# KiCad board E-Fidget V4.kicad_pcb
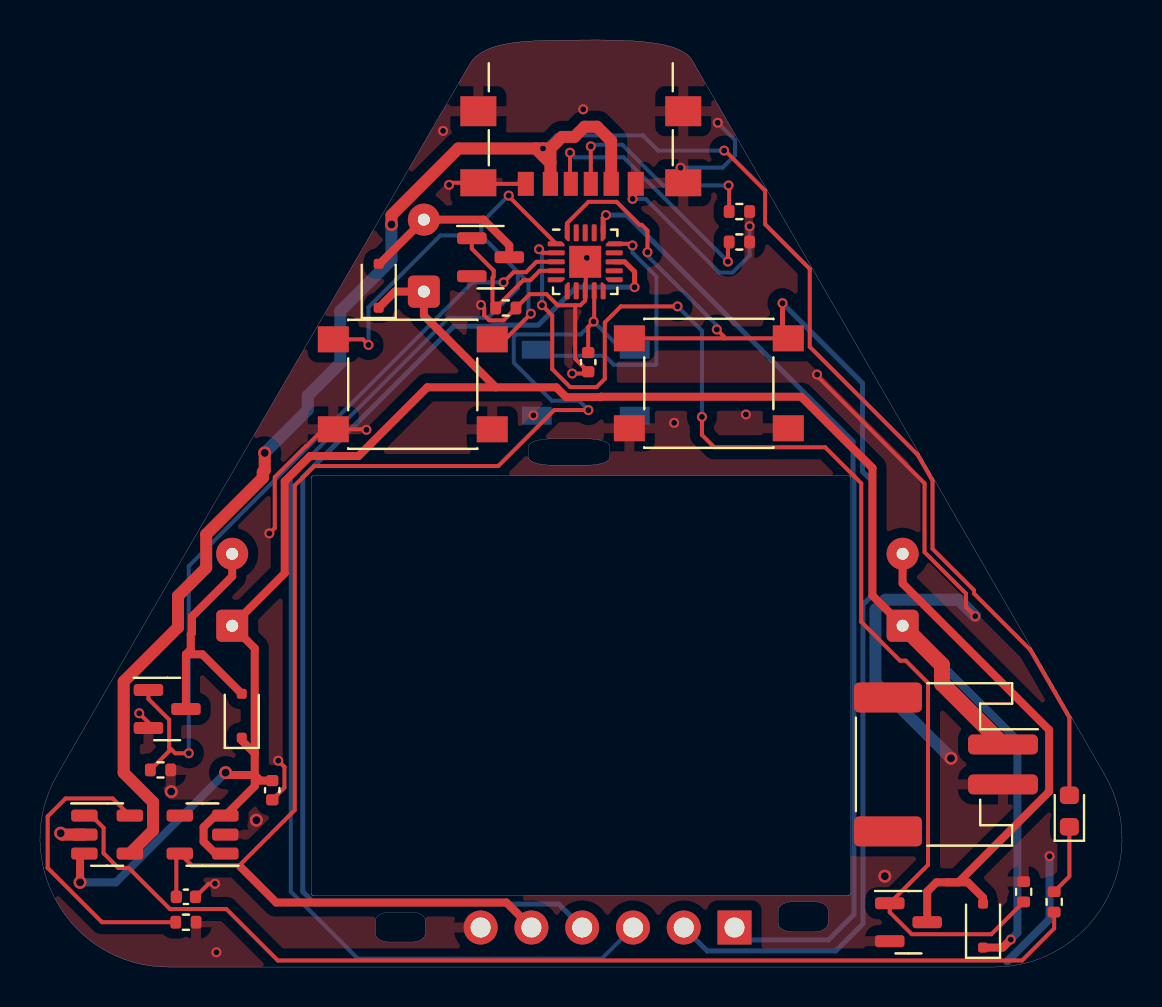
[diagram p0: board, top side]
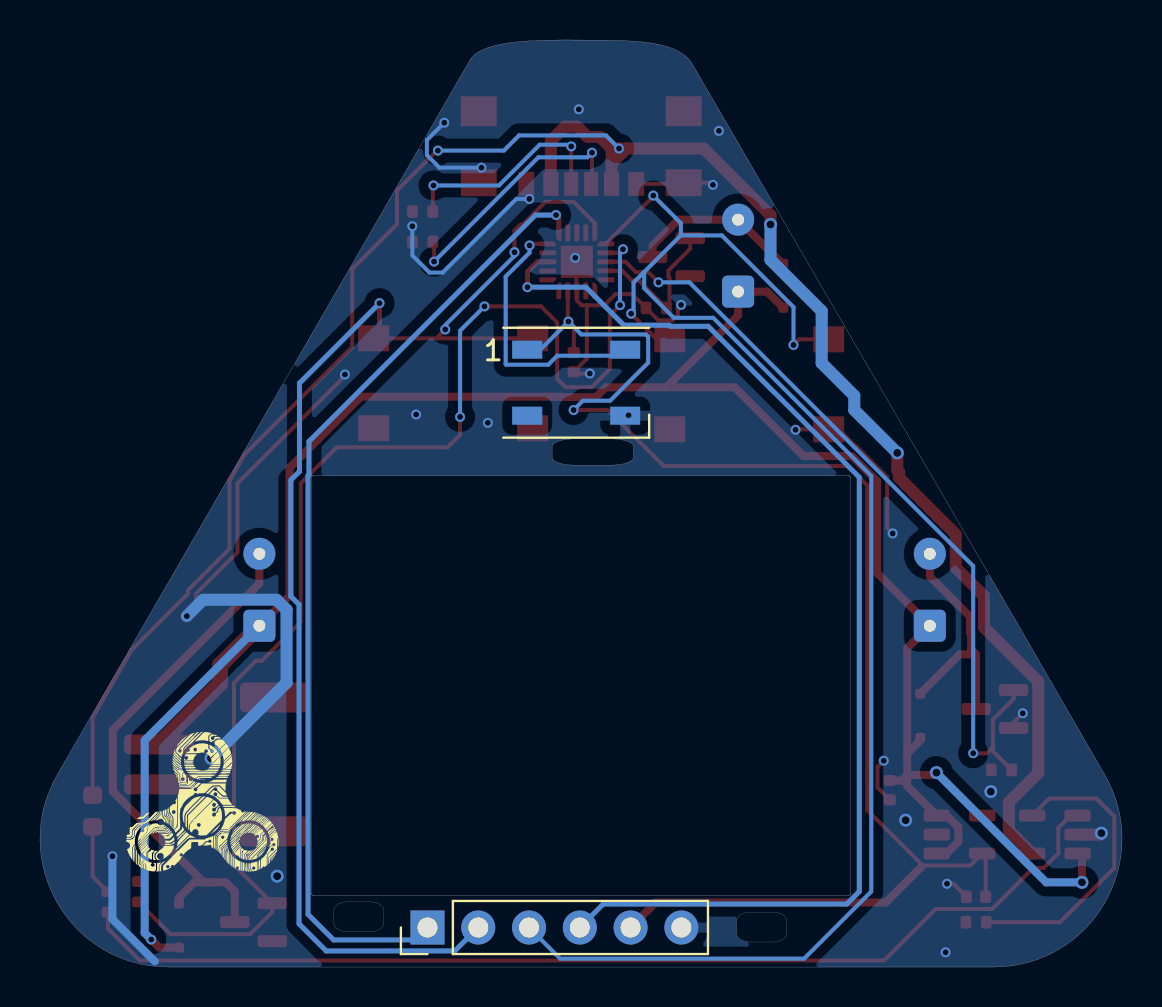
[diagram p1: board, bottom side, seen from below]

Outline 54.13 x 46.39 mm; copper layers: Top, Bottom. Coordinates in mm from the lower left corner of the outline.
Outline path: 0,6.32 0.01,6.73 0.04,7.15 0.1,7.57 0.2,7.98 0.32,8.4 0.47,8.81 0.65,9.22 0.87,9.63 5.63,17.88 21.49,45.16 21.56,45.28 21.65,45.38 21.74,45.48 21.84,45.58 21.95,45.66 22.06,45.74 22.19,45.82 22.32,45.88 22.46,45.95 22.61,46 22.76,46.05 22.92,46.1 23.25,46.18 23.61,46.24 23.98,46.29 24.38,46.32 24.78,46.34 25.2,46.36 26.06,46.37 26.94,46.38 27.86,46.39 28.78,46.38 29.66,46.34 30.08,46.31 30.48,46.27 30.86,46.21 31.22,46.14 31.54,46.06 31.83,45.96 32.09,45.84 32.31,45.71 32.41,45.63 32.49,45.55 32.56,45.47 32.62,45.38 37.39,37.13 53.26,9.63 53.48,9.22 53.66,8.81 53.81,8.4 53.94,7.98 54.03,7.57 54.09,7.15 54.12,6.73 54.13,6.32 54.11,5.9 54.06,5.5 53.99,5.1 53.89,4.7 53.77,4.31 53.62,3.93 53.45,3.57 53.26,3.21 53.05,2.86 52.81,2.53 52.56,2.22 52.29,1.92 51.99,1.63 51.68,1.37 51.35,1.13 51.01,0.9 50.64,0.7 50.26,0.52 49.87,0.37 49.46,0.24 49.04,0.14 48.61,0.06 48.16,0.02 47.71,0 6.43,0 5.97,0.02 5.52,0.06 5.09,0.14 4.67,0.24 4.26,0.37 3.87,0.52 3.49,0.7 3.13,0.9 2.78,1.13 2.45,1.37 2.14,1.63 1.85,1.92 1.57,2.22 1.32,2.53 1.08,2.86 0.87,3.21 0.68,3.57 0.51,3.93 0.36,4.31 0.24,4.7 0.14,5.1 0.07,5.5 0.02,5.9 0,6.32 ; 13.57,24.45 13.57,24.47 13.57,24.49 13.58,24.5 13.59,24.52 13.6,24.54 13.61,24.55 13.63,24.56 13.65,24.57 13.67,24.58 13.69,24.58 13.7,24.58 40.46,24.58 40.48,24.58 40.5,24.57 40.52,24.56 40.53,24.55 40.55,24.54 40.56,24.52 40.56,24.5 40.57,24.48 40.57,3.72 40.56,3.7 40.56,3.68 40.55,3.66 40.54,3.64 40.53,3.63 40.52,3.61 40.5,3.6 40.48,3.59 40.46,3.59 40.44,3.58 40.43,3.58 13.67,3.58 13.65,3.58 13.63,3.59 13.61,3.6 13.6,3.61 13.58,3.63 13.57,3.65 13.57,3.67 13.57,3.69 13.57,24.45 ; 16.79,2.32 16.79,2.34 16.79,2.36 16.79,2.38 16.8,2.4 16.81,2.42 16.82,2.44 16.83,2.46 16.84,2.48 16.85,2.5 16.87,2.52 16.88,2.54 16.9,2.56 16.92,2.57 16.94,2.59 16.96,2.6 16.99,2.62 17.01,2.63 17.03,2.65 17.06,2.66 17.09,2.67 17.12,2.68 17.14,2.69 17.17,2.7 17.2,2.71 17.24,2.72 17.27,2.73 17.3,2.73 17.33,2.74 17.37,2.74 17.4,2.74 17.44,2.74 17.47,2.74 18.59,2.74 18.66,2.74 18.73,2.74 18.8,2.73 18.86,2.71 18.92,2.69 18.98,2.67 19.03,2.65 19.08,2.62 19.12,2.59 19.16,2.56 19.2,2.52 19.21,2.5 19.22,2.48 19.24,2.46 19.25,2.44 19.26,2.42 19.26,2.4 19.27,2.38 19.27,2.36 19.28,2.34 19.28,2.32 19.28,1.68 19.28,1.66 19.27,1.63 19.27,1.61 19.26,1.59 19.26,1.57 19.25,1.55 19.24,1.53 19.22,1.51 19.21,1.49 19.2,1.47 19.18,1.46 19.16,1.44 19.14,1.42 19.12,1.41 19.1,1.39 19.08,1.38 19.05,1.36 19.03,1.35 19,1.34 18.98,1.32 18.95,1.31 18.92,1.3 18.89,1.29 18.86,1.28 18.83,1.28 18.8,1.27 18.76,1.26 18.73,1.26 18.7,1.26 18.66,1.25 18.63,1.25 18.59,1.25 17.47,1.25 17.4,1.25 17.33,1.26 17.27,1.27 17.2,1.28 17.14,1.3 17.09,1.32 17.03,1.35 16.99,1.38 16.94,1.41 16.9,1.44 16.87,1.47 16.85,1.49 16.84,1.51 16.83,1.53 16.82,1.55 16.81,1.57 16.8,1.59 16.79,1.61 16.79,1.63 16.79,1.66 16.79,1.68 16.79,2.32 ; 24.45,26.05 24.45,26.07 24.45,26.09 24.46,26.11 24.47,26.13 24.48,26.15 24.5,26.16 24.52,26.18 24.54,26.2 24.56,26.21 24.58,26.23 24.61,26.25 24.64,26.26 24.67,26.28 24.7,26.29 24.74,26.3 24.78,26.32 24.81,26.33 24.85,26.34 24.9,26.35 24.94,26.36 24.99,26.37 25.03,26.38 25.13,26.4 25.23,26.41 25.34,26.42 25.45,26.43 25.57,26.43 27.39,26.43 27.51,26.43 27.62,26.42 27.73,26.41 27.83,26.4 27.93,26.38 28.02,26.36 28.1,26.34 28.18,26.32 28.26,26.29 28.32,26.26 28.38,26.23 28.42,26.2 28.46,26.16 28.48,26.15 28.49,26.13 28.5,26.11 28.51,26.09 28.51,26.07 28.51,26.05 28.51,25.49 28.51,25.47 28.51,25.45 28.5,25.43 28.49,25.41 28.48,25.4 28.46,25.38 28.44,25.36 28.42,25.34 28.4,25.33 28.38,25.31 28.35,25.3 28.32,25.28 28.29,25.27 28.26,25.25 28.22,25.24 28.18,25.22 28.14,25.21 28.1,25.2 28.06,25.19 28.02,25.18 27.97,25.17 27.93,25.16 27.83,25.14 27.73,25.13 27.62,25.12 27.51,25.12 27.39,25.11 25.57,25.11 25.45,25.12 25.34,25.12 25.23,25.13 25.13,25.14 25.03,25.16 24.94,25.18 24.85,25.2 24.78,25.22 24.7,25.25 24.64,25.28 24.58,25.31 24.54,25.34 24.5,25.38 24.48,25.4 24.47,25.41 24.46,25.43 24.45,25.45 24.45,25.47 24.45,25.49 24.45,26.05 ; 36.94,2.83 36.94,2.86 36.94,2.88 36.94,2.9 36.95,2.92 36.96,2.94 36.97,2.96 36.98,2.98 36.99,3 37,3.02 37.02,3.04 37.03,3.05 37.05,3.07 37.07,3.09 37.09,3.1 37.11,3.12 37.14,3.14 37.16,3.15 37.18,3.16 37.21,3.18 37.24,3.19 37.27,3.2 37.29,3.21 37.32,3.22 37.35,3.23 37.39,3.23 37.42,3.24 37.45,3.25 37.48,3.25 37.52,3.26 37.55,3.26 37.59,3.26 37.62,3.26 38.74,3.26 38.81,3.26 38.88,3.25 38.95,3.24 39.01,3.23 39.07,3.21 39.13,3.19 39.18,3.16 39.23,3.14 39.27,3.1 39.31,3.07 39.35,3.04 39.36,3.02 39.37,3 39.39,2.98 39.4,2.96 39.41,2.94 39.41,2.92 39.42,2.9 39.42,2.88 39.43,2.86 39.43,2.83 39.43,2.19 39.43,2.17 39.42,2.15 39.42,2.13 39.41,2.11 39.41,2.09 39.4,2.07 39.39,2.05 39.37,2.03 39.36,2.01 39.35,1.99 39.33,1.97 39.31,1.96 39.29,1.94 39.27,1.92 39.25,1.91 39.23,1.89 39.2,1.88 39.18,1.86 39.15,1.85 39.13,1.84 39.1,1.83 39.07,1.82 39.04,1.81 39.01,1.8 38.98,1.79 38.95,1.79 38.91,1.78 38.88,1.78 38.85,1.77 38.81,1.77 38.78,1.77 38.74,1.77 37.62,1.77 37.55,1.77 37.48,1.78 37.42,1.79 37.35,1.8 37.29,1.82 37.24,1.84 37.18,1.86 37.14,1.89 37.09,1.92 37.05,1.96 37.02,1.99 37,2.01 36.99,2.03 36.98,2.05 36.97,2.07 36.96,2.09 36.95,2.11 36.94,2.13 36.94,2.15 36.94,2.17 36.94,2.19 36.94,2.83
Stack: Top 0.035mm / dielectric 1.51mm FR4 er 4.5 / Bottom 0.035mm

## Placement (name value [footprint] x y rotation side)
BT1  WAFER-PH2.0-2PWB  [JST_PH_S2B-PH-SM4-TB_1x02-1MP_P2.00mm_Horizontal]  45.33 10.14 270 top
C1  1u  [C_0402_1005Metric]  7.3 3.51 0 top
C2  10u  [C_0402_1005Metric]  11.62 8.85 270 top
C3  0.1u  [C_0402_1005Metric]  27.43 30.27 270 top
D1  ORANGE  [LED_0603_1608Metric]  51.5 7.81 90 top
D2  WS2812B  [LED_WS2812B_PLCC4_5.0x5.0mm_P3.2mm]  27.31 29.24 180 bottom
D3  BAT54J  [D_SOD-323F]  16.95 34.09 90 top
D4  BAT54J  [D_SOD-323F]  10.1 12.57 90 top
D5  BAT54J  [D_SOD-323F]  47.18 2.07 90 top
J1  USB_C_Receptacle_PowerOnly_6P  [USB_C_Receptacle_GCT_USB4135-GF-A_6P_TopMnt_Horizontal]  27.06 42.22 180 top
J2  Conn_02x03_Counter_Clockwise  [PinHeader_1x06_P2.54mm_Vertical]  34.75 1.98 90 bottom
M1  Motor_DC  [SolderWire-0.1sqmm_1x02_P3.6mm_D0.4mm_OD1mm]  19.21 33.8 90 top
M2  Motor_DC  [SolderWire-0.1sqmm_1x02_P3.6mm_D0.4mm_OD1mm]  9.62 17.08 90 top
M3  Motor_DC  [SolderWire-0.1sqmm_1x02_P3.6mm_D0.4mm_OD1mm]  43.16 17.08 90 top
Q1  DMG2302U  [SOT-23]  22.54 35.52 0 top
Q2  DMG2302U  [SOT-23]  6.36 12.91 0 top
Q3  DMG2302U  [SOT-23]  43.45 2.24 0 top
R1  10k  [R_0402_1005Metric]  7.3 2.24 0 top
R2  1k  [R_0402_1005Metric]  50.74 3.26 90 top
R3  5.1k  [R_0402_1005Metric]  34.99 37.8 180 top
R4  5.1k  [R_0402_1005Metric]  34.99 36.28 0 top
R5  10k  [R_0402_1005Metric]  23.3 32.98 0 top
R6  10k  [R_0402_1005Metric]  6.03 9.86 0 top
R7  10k  [R_0402_1005Metric]  49.21 3.77 90 top
SW1  SW_Push  [SW_Push_1P1T_NO_6x6mm_H9.5mm]  18.65 29.16 0 top
SW2  SW_Push  [SW_Push_1P1T_NO_6x6mm_H9.5mm]  33.46 29.21 0 top
U1  MCP73831-2-OT  [SOT-23-5]  3.36 6.63 0 top
U2  TC1185-xCT  [SOT-23-5]  8.13 6.63 180 top
U3  ATtiny841-MM  [QFN-20-1EP_3x3mm_P0.45mm_EP1.6x1.6mm]  27.28 35.29 0 top

## Library data of the parts
BT1 = -: Description: Multiple-cell battery
C1-C3 = -: Description: Unpolarized capacitor, small symbol
D1 = -: Description: Light emitting diode, small symbol
D2 = -: Description: RGB LED with integrated controller
D3-D5 = -: Description: 30V 200mA Schottky diode, SOD-323F
J1 = -: Description: USB Power-Only 6P Type-C Receptacle connector
J2 = -: Description: Generic connector, single row, 01x06, script generated (kicad-library-utils/schlib/autogen/connector/)
M1-M3 = -: Description: DC Motor
Q1-Q3 = -: Description: 4.2A Id, 20V Vds, N-Channel MOSFET, SOT-23
R1-R7 = -: Description: Resistor, small symbol
SW1 SW2 = -: Description: Push button switch, generic, two pins
U1 = -: Description: Single cell, Li-Ion/Li-Po charge management controller, 4.20V, Tri-State Status Output, in SOT23-5 package
U2 = -: Description: 150 mA CMOS LDOs with Shutdown and Reference Bypass, SOT-23-5
U3 = -: Description: 16MHz, 8kB Flash, 512B SRAM, 512B EEPROM, ADC, ACI, debugWIRE, QFN-20

## Footprints (pads in the part's own frame, mm; a bottom-side part is the same pattern mirrored in y, then rotated)
C_0402_1005Metric
  rrect 0.56x0.62 smd: 1(-0.48,0) 2(0.48,0)
D_SOD-323F
  rrect 0.5x0.5 smd: 1(-1.1,0) 2(1.1,0)
JST_PH_S2B-PH-SM4-TB_1x02-1MP_P2.00mm_Horizontal
  rrect 1x3.5 smd: 1(-1,2.85) 2(1,2.85)
  rrect 1.5x3.4 smd: MP(-3.35,-2.9) MP(3.35,-2.9)
LED_0603_1608Metric
  rrect 0.875x0.95 smd: 1(-0.787,0) 2(0.787,0)
LED_WS2812B_PLCC4_5.0x5.0mm_P3.2mm
  rect 1.5x0.9 smd: 1(-2.45,1.65) 2(-2.45,-1.65) 3(2.45,-1.65) 4(2.45,1.65)
PinHeader_1x06_P2.54mm_Vertical
  rect 1.7x1.7 hole 1: 1(0,0)
  oval 1.7x1.7 hole 1: 2(0,-2.54) 3(0,-5.08) 4(0,-7.62) 5(0,-10.16) 6(0,-12.7)
QFN-20-1EP_3x3mm_P0.45mm_EP1.6x1.6mm
  rrect 0.64x0.64 smd: (-0.4,0.4) (-0.4,-0.4) (0.4,0.4) (0.4,-0.4)
  custom 0.85x0.25 smd: 1(-1.45,0.9) 5(-1.45,-0.9) 11(1.45,-0.9) 15(1.45,0.9)
  rrect 0.85x0.25 smd: 2(-1.45,0.45) 3(-1.45,0) 4(-1.45,-0.45) 12(1.45,-0.45) 13(1.45,0) 14(1.45,0.45)
  custom 0.25x0.85 smd: 6(-0.9,-1.45) 10(0.9,-1.45) 16(0.9,1.45) 20(-0.9,1.45)
  rrect 0.25x0.85 smd: 7(-0.45,-1.45) 8(0,-1.45) 9(0.45,-1.45) 17(0.45,1.45) 18(0,1.45) 19(-0.45,1.45)
  rect 1.6x1.6 smd: 21(0,0)
R_0402_1005Metric
  rrect 0.54x0.64 smd: 1(-0.51,0) 2(0.51,0)
SolderWire-0.1sqmm_1x02_P3.6mm_D0.4mm_OD1mm
  rrect 1.6x1.6 hole 0.6: 1(0,0)
  round 1.6 hole 0.6: 2(3.6,0)
SOT-23
  rrect 1.475x0.6 smd: 1(-0.938,0.95) 2(-0.938,-0.95) 3(0.938,0)
SOT-23-5
  rrect 1.325x0.6 smd: 1(-1.137,0.95) 2(-1.137,0) 3(-1.137,-0.95) 4(1.137,-0.95) 5(1.137,0.95)
SW_Push_1P1T_NO_6x6mm_H9.5mm
  rect 1.55x1.3 smd: 1(-3.975,2.25) 1(3.975,2.25) 2(-3.975,-2.25) 2(3.975,-2.25)
USB_C_Receptacle_GCT_USB4135-GF-A_6P_TopMnt_Horizontal
  rect 0.7x1.2 smd: A5(-0.5,3.033) B5(0.5,3.033)
  rect 0.76x1.2 smd: A9(1.52,3.033) B9(-1.52,3.033)
  rect 0.8x1.2 smd: A12(2.75,3.033) B12(-2.75,3.033)
  rect 1.8x1.35 smd: S1(-5.125,2.978) S1(5.125,2.978)
  rect 1.8x1.5 smd: S1(-5.125,-0.603) S1(5.125,-0.603)

## Nets
+5V: C1.1 C3.1 D2.1 J2.5 U2.5 U3.9
GND: BT1.2 C1.2 C2.2 C3.2 D2.3 J1.A12 J1.B12 J1.S1 J2.6 Q1.2 Q2.2 Q3.2 R1.2 R3.1 R4.2 R5.2 R6.2 R7.2 SW1.2 SW2.2 U1.2 U2.2 U3.8 U3.21
VBUS: D1.2 J1.A9 J1.B9 U1.4
+BATT: BT1.1 C2.1 D3.1 D4.1 D5.1 M1.1 M2.1 M3.1 U1.3 U2.1 U2.3
/M1: Q1.1 R5.1 U3.4
/M2: Q2.1 R6.1 U3.3
/M3: Q3.1 R7.1 U3.2
/MISO: J2.2 SW2.1 U3.20
/MOSI: J2.1 U3.16
/RESET: J2.4 U3.13
/SCK: J2.3 SW1.1 U3.1
Net-(D1-K): D1.1 R2.2
Net-(D2-DIN): D2.4 U3.15
Net-(D3-A): D3.2 M1.2 Q1.3
Net-(D4-A): D4.2 M2.2 Q2.3
Net-(D5-A): D5.2 M3.2 Q3.3
Net-(J1-CC1): J1.A5 R3.2
Net-(J1-CC2): J1.B5 R4.1
Net-(U1-PROG): R1.1 U1.5
Net-(U1-STAT): R2.1 U1.1

Pads without a net: BT1 MP; D2 2; U2 4; U3 5 6 7 10 11 12 14 17 18 19

## Via types
v1: diameter 0.65, hole 0.4, Top to Bottom, 9 vias
v2: diameter 0.5, hole 0.3, Top to Bottom, 46 vias

## Routing (per net, layer and track width the routed paths; a pad name or vN(x,y) marks a point on that pad's centre or on a via; arc(x,y) is an arc through that point)
+5V: length 73
  Top w0.2: v2(27.44,27.87) 25.73,27.87 22.93,25.07 13.72,25.07 12.75,24.1 12.75,7.85 9.97,5.08 7.6,5.08 U2.5 ; C3.1 27.43,32.03 v2(27.7,32.3) 27.73,32.33 U3.9 ; C1.1 6.82,5.5
  Top w0.4: 10.04,5.01 11.82,3.23 23.34,3.23 J2.5
  Bottom w0.2: v2(27.44,27.87) 26.97,28.34 25.61,28.34 23.71,30.24 23.71,31.54 23.82,31.65 27.05,31.65 v2(27.7,32.3) 29.11,30.89
GND: length 81.6
  Top w0.2: J1.A12 21.99,39.19 ; v2(29.65,38.43) 29.65,39.03 ; 26.78,33.11 26.78,30.44 C3.2 ; 26.78,33.11 27.04,33.11 27.28,33.35 U3.8 v2(27.36,35.49) ; 26.78,33.11 25.9,33.11 25.34,33.67 24.5,33.67 R5.2 23.19,32.36 22.48,32.36 22.22,32.61 22.22,32.97 v2(22.06,33.13) ; v2(38.88,29.65) 38.88,29.58 44.25,24.2 44.25,20.76 46.33,18.69 46.33,18.02 v2(46.79,17.56) ; J1.S1 20.57,39.24 v2(20.47,39.14) ; 14.38,26.91 14.17,26.91 13.33,26.07 13.3,26.07 11.75,24.51 11.75,21.97 v2(11.48,21.7) ; SW1.2 16.31,26.91 v2(16.33,26.88) ; v2(26.63,29.7) 27.34,29.7 ; C2.2 12.23,8.98 12.23,10.02 v2(11.92,10.32) ; Q2.2 5.43,12.24 v2(4.97,12.7) ; v2(8.76,4.17) 8.44,4.17 C1.2
  Top w0.6: U1.2 1.11,6.63 v1(1.04,6.7)
  Bottom w0.2: v2(33.91,42.25) 34.78,41.38 34.78,40.62 34.15,40 v2(32.05,40) ; v2(29.65,38.43) 30.3,38.43 33.99,34.75 34.64,34.75 35.51,35.61 v2(35.51,37.07)
  Bottom w0.4: 48.39,0.28 50.51,2.4 v2(50.51,5.55)
  Bottom w0.6: v1(45.58,10.45) 41.8,14.23 41.8,17.88 42.29,18.38 45.97,18.38 v2(46.79,17.56)
  vias: v1(6.57,8.78) v1(10.83,7.35) v1(42.27,4.55) v2(8.83,0.74) v2(20.17,41.84) v2(24.69,27.61) v2(27.18,42.92) v2(31.73,27.23) v2(35.32,27.65)
VBUS: length 105.3
  Top w0.2: 34.27,40.86 36.28,38.85 36.28,37.17 38.51,34.93 38.51,31.03 43.9,25.64 44.65,24.34 44.65,20.93 46.72,18.85 46.72,18.69 49.54,15.87 51.5,12.48 D1.2
  Top w0.6: v1(11.24,25.73) 11.24,24.86 11.15,24.76 11.15,24.48 8.32,21.65 8.32,19.98 6.91,18.57 6.91,17 4.19,14.28 4.19,9.72 5.66,8.25 5.66,6.84 U1.4 ; 25.54,40.26 25.5,40.26 24.8,40.96 ; 25.54,40.26 J1.A9 ; 25.54,40.26 25.54,40.96 ; 24.8,40.96 20.93,40.96 17.59,37.62 v1(17.59,37.16) ; 24.8,40.96 v2(25.17,40.96) 25.54,40.96 ; J1.B9 28.58,41.34 27.87,42.05 27.24,42.05 26.74,41.54 26.12,41.54 25.54,40.96
  Bottom w0.2: v2(25.17,40.96) 25.82,41.61 30.16,41.61 30.92,40.85 v2(34.23,40.85)
  Bottom w0.6: v1(11.24,25.73) 13.4,27.88 13.4,28.59 15.03,30.22 15.03,32.82 17.59,35.38 v1(17.59,37.16)
+BATT: length 115.1
  Top w0.4: D3.1 17.76,33.8 M1.1 19.21,32.6 22.8,29.01 ; v1(2.01,4.24) 2.01,5.46 U1.3 ; 22.8,29.01 19.38,29.01 15.94,25.57 13.51,25.57 12.25,24.3 12.25,19.71 M2.1 10.75,15.95 10.75,10.69 ; 22.8,29.01 25.83,29.01 26.32,28.52 28.05,28.52 28.07,28.54 38.08,28.54 41.65,24.97 41.65,18.59 M3.1 ; D5.1 48.16,0.97 v2(48.57,1.38) ; U2.1 8.78,5.68 8.19,6.27 8.19,7 8.77,7.58 U2.3 10.75,9.05 10.75,9.61 ; 10.75,10.69 10.75,9.61 ; 10.75,10.69 10.1,11.34 D4.1 ; 10.75,9.61 11.03,9.33 C2.1 ; 10.75,9.61 9.41,9.61 v1(9.29,9.73)
  Top w0.8: BT1.1 45.12,14.19 45.12,15.11 M3.1
  Bottom w0.4: v2(48.57,1.38) 48.9,1.71 48.9,11.34 M3.1 ; v1(2.01,4.24) 3.8,4.24 v1(9.29,9.73)
/M1: length 7.6
  Top w0.2: R5.1 24.18,34.37 24.53,34.37 25,34.84 U3.4 ; 22.64,33.13 22.64,34.49 22.7,34.54 22.7,34.85 21.6,35.94 Q1.1
/M2: length 40
  Top w0.2: v2(7.45,10.7) 6.76,10.7 6.46,11 ; v2(23.19,34.26) 23.7,34.77 24.31,34.77 24.83,35.29 U3.3 ; R6.1 6.46,10.81 6.46,12.37 5.43,13.41 Q2.1
  Bottom w0.2: v2(7.45,10.7) 7.45,20.06 21.64,34.26 v2(23.19,34.26)
/M3: length 64.7
  Top w0.2: v2(25.11,33.12) 25.63,32.61 25.63,29.92 26.53,29.02 27.85,29.02 28.26,29.43 28.26,32.25 29.06,33.06 v2(31.9,33.06) ; U3.2 25.14,35.74 v2(24.96,35.92) ; v2(33.12,27.53) 33.12,26.63 33.74,26.01 39.28,26.01 41.09,24.2 41.09,17.27 43.03,15.33 43.31,15.33 44.43,14.22 44.43,5.11 Q3.1 42.51,2.74 43.61,1.64 47.6,1.64 R7.1
  Bottom w0.2: v2(24.96,35.92) 25.11,35.77 25.11,33.12 v2(25.11,33.12) ; v2(33.12,27.53) 33.12,31.84 v2(31.9,33.06)
/MISO: length 65
  Top w0.2: v2(30.39,35.77) 30.39,36.85 30.1,37.14 30,37.14 28.85,38.29 27.44,38.29 26.38,37.22 U3.20 ; 34.21,31.46 34.21,31.56 v2(33.86,31.9) ; 34.21,31.46 SW2.1 ; 34.21,31.46 SW2.1
  Top w0.25: v2(37.15,33.22) 37.15,31.75
  Bottom w0.2: v2(30.39,35.77) 30.39,35.58 33.86,32.11 v2(33.86,31.9)
  Bottom w0.25: J2.2 33.38,0.8 39.81,0.8 41.17,2.16 41.17,18.14 41.58,18.55 41.58,24.36 41.15,24.79 41.15,29.21 v2(37.15,33.22)
/MOSI: length 47.6
  Top w0.25: U3.16 28.18,37.49 v2(28.32,37.63)
  Bottom w0.25: 35.37,1.36 39.45,1.36 40.72,2.63 40.72,24.59 40.68,24.63 40.68,26.3 29.34,37.63 v2(28.32,37.63)
/RESET: length 58
  Top w0.25: U3.13 29.25,35.29 29.75,34.79 v2(29.75,34.02)
  Bottom w0.25: v2(29.75,34.02) 26.82,34.02 24.92,32.12 22.66,32.12 22.6,32.06 20.7,32.06 13.15,24.51 13.15,3.78 13.77,3.15 25.95,3.15 J2.4
/SCK: length 79.6
  Top w0.2: 23.27,31.41 v2(24.56,32.69) ; v2(16.44,31.13) 16.16,31.41 SW1.1 ; v2(23.45,38.6) 23.45,38.56 U3.1
  Bottom w0.2: 22.07,36.61 20.03,36.61 16.44,33.02 v2(16.44,31.13) ; 22.07,36.61 23.9,34.78 ; 22.07,36.61 22.07,37.22 v2(23.45,38.6) ; J2.3 28.11,0.42 15.9,0.42 12.55,3.78 12.55,24.58 20.45,32.49 22.42,32.49 23.9,33.97 23.9,34.78 ; 23.9,34.78 24.44,34.25 24.44,32.81 v2(24.56,32.69)
Net-(D1-K): length 3.6
  Top w0.2: R2.2 51.5,4.53 D1.1
Net-(D2-DIN): length 13
  Top w0.2: U3.15 29.56,36.19 v2(29.64,36.11)
  Bottom w0.2: 25.46,30.59 28.26,30.59 28.71,30.14 30.81,30.14 30.84,30.17 30.84,34.55 29.64,35.74 v2(29.64,36.11)
Net-(D3-A): length 8.5
  Top w0.4: 17,35.19 M1.2 22.19,37.4 23.48,36.11 Q1.3
Net-(D4-A): length 12.3
  Top w0.4: 7.3,15.65 8.12,15.65 D4.2 ; 7.3,15.65 Q2.3 ; 7.3,15.65 7.54,15.89 7.54,16.65 7.6,16.71 7.6,17.54 9.62,19.55 M2.2
Net-(D5-A): length 27
  Top w0.4: D5.2 47.18,3.47 46.42,4.24 45.4,4.24 ; 45.4,4.24 45.94,4.24 50.49,8.78 50.49,11.86 43.16,19.19 M3.2 ; 45.4,4.24 44.85,4.24 44.39,3.78 Q3.3
Net-(J1-CC1): length 11
  Top w0.2: J1.A5 v2(27.56,41.06) ; R3.2 34.48,39.08 v2(34.45,39.11)
  Bottom w0.2: v2(34.45,39.11) 31.17,39.11 29.13,41.15 27.64,41.15 v2(27.56,41.06)
Net-(J1-CC2): length 12.6
  Top w0.2: v2(34.42,35.3) 34.42,36.22 ; v2(26.52,40.75) 26.52,39.23
  Bottom w0.2: v2(26.52,40.75) 26.75,40.51 29.2,40.51 v2(34.42,35.3)
Net-(U1-PROG): length 14.9
  Top w0.2: R1.1 3.1,2.24 0.39,4.96 0.39,7.54 1.28,8.43 3.64,8.43 U1.5
Net-(U1-STAT): length 53.4
  Top w0.2: 2.57,7.58 3.18,6.96 3.18,5.69 3.92,4.96 4.45,4.96 6.5,2.9 9.32,2.9 11.9,0.33 49.13,0.33 50.74,1.93 R2.1

## Copper pours and planes (outline as drawn; the poured copper is in the pictures)
GND on Top, Bottom: 25.8,53.44 67.68,20.55 31.58,-31.89 -20.44,5.07
